# Altium PCB 20211129_mach tren NCKH.PcbDoc (part 2 of 2)
Units mm, origin at the board's own origin, x right, y up, seen from the top; angles counter-clockwise.
Board outline 85.42 x 125.35 mm, 2 copper layers (Top Layer, Bottom Layer); 157 components, 109 nets, 462 pads, 90 vias.
Unrouted connection lines stored in the file: 3.
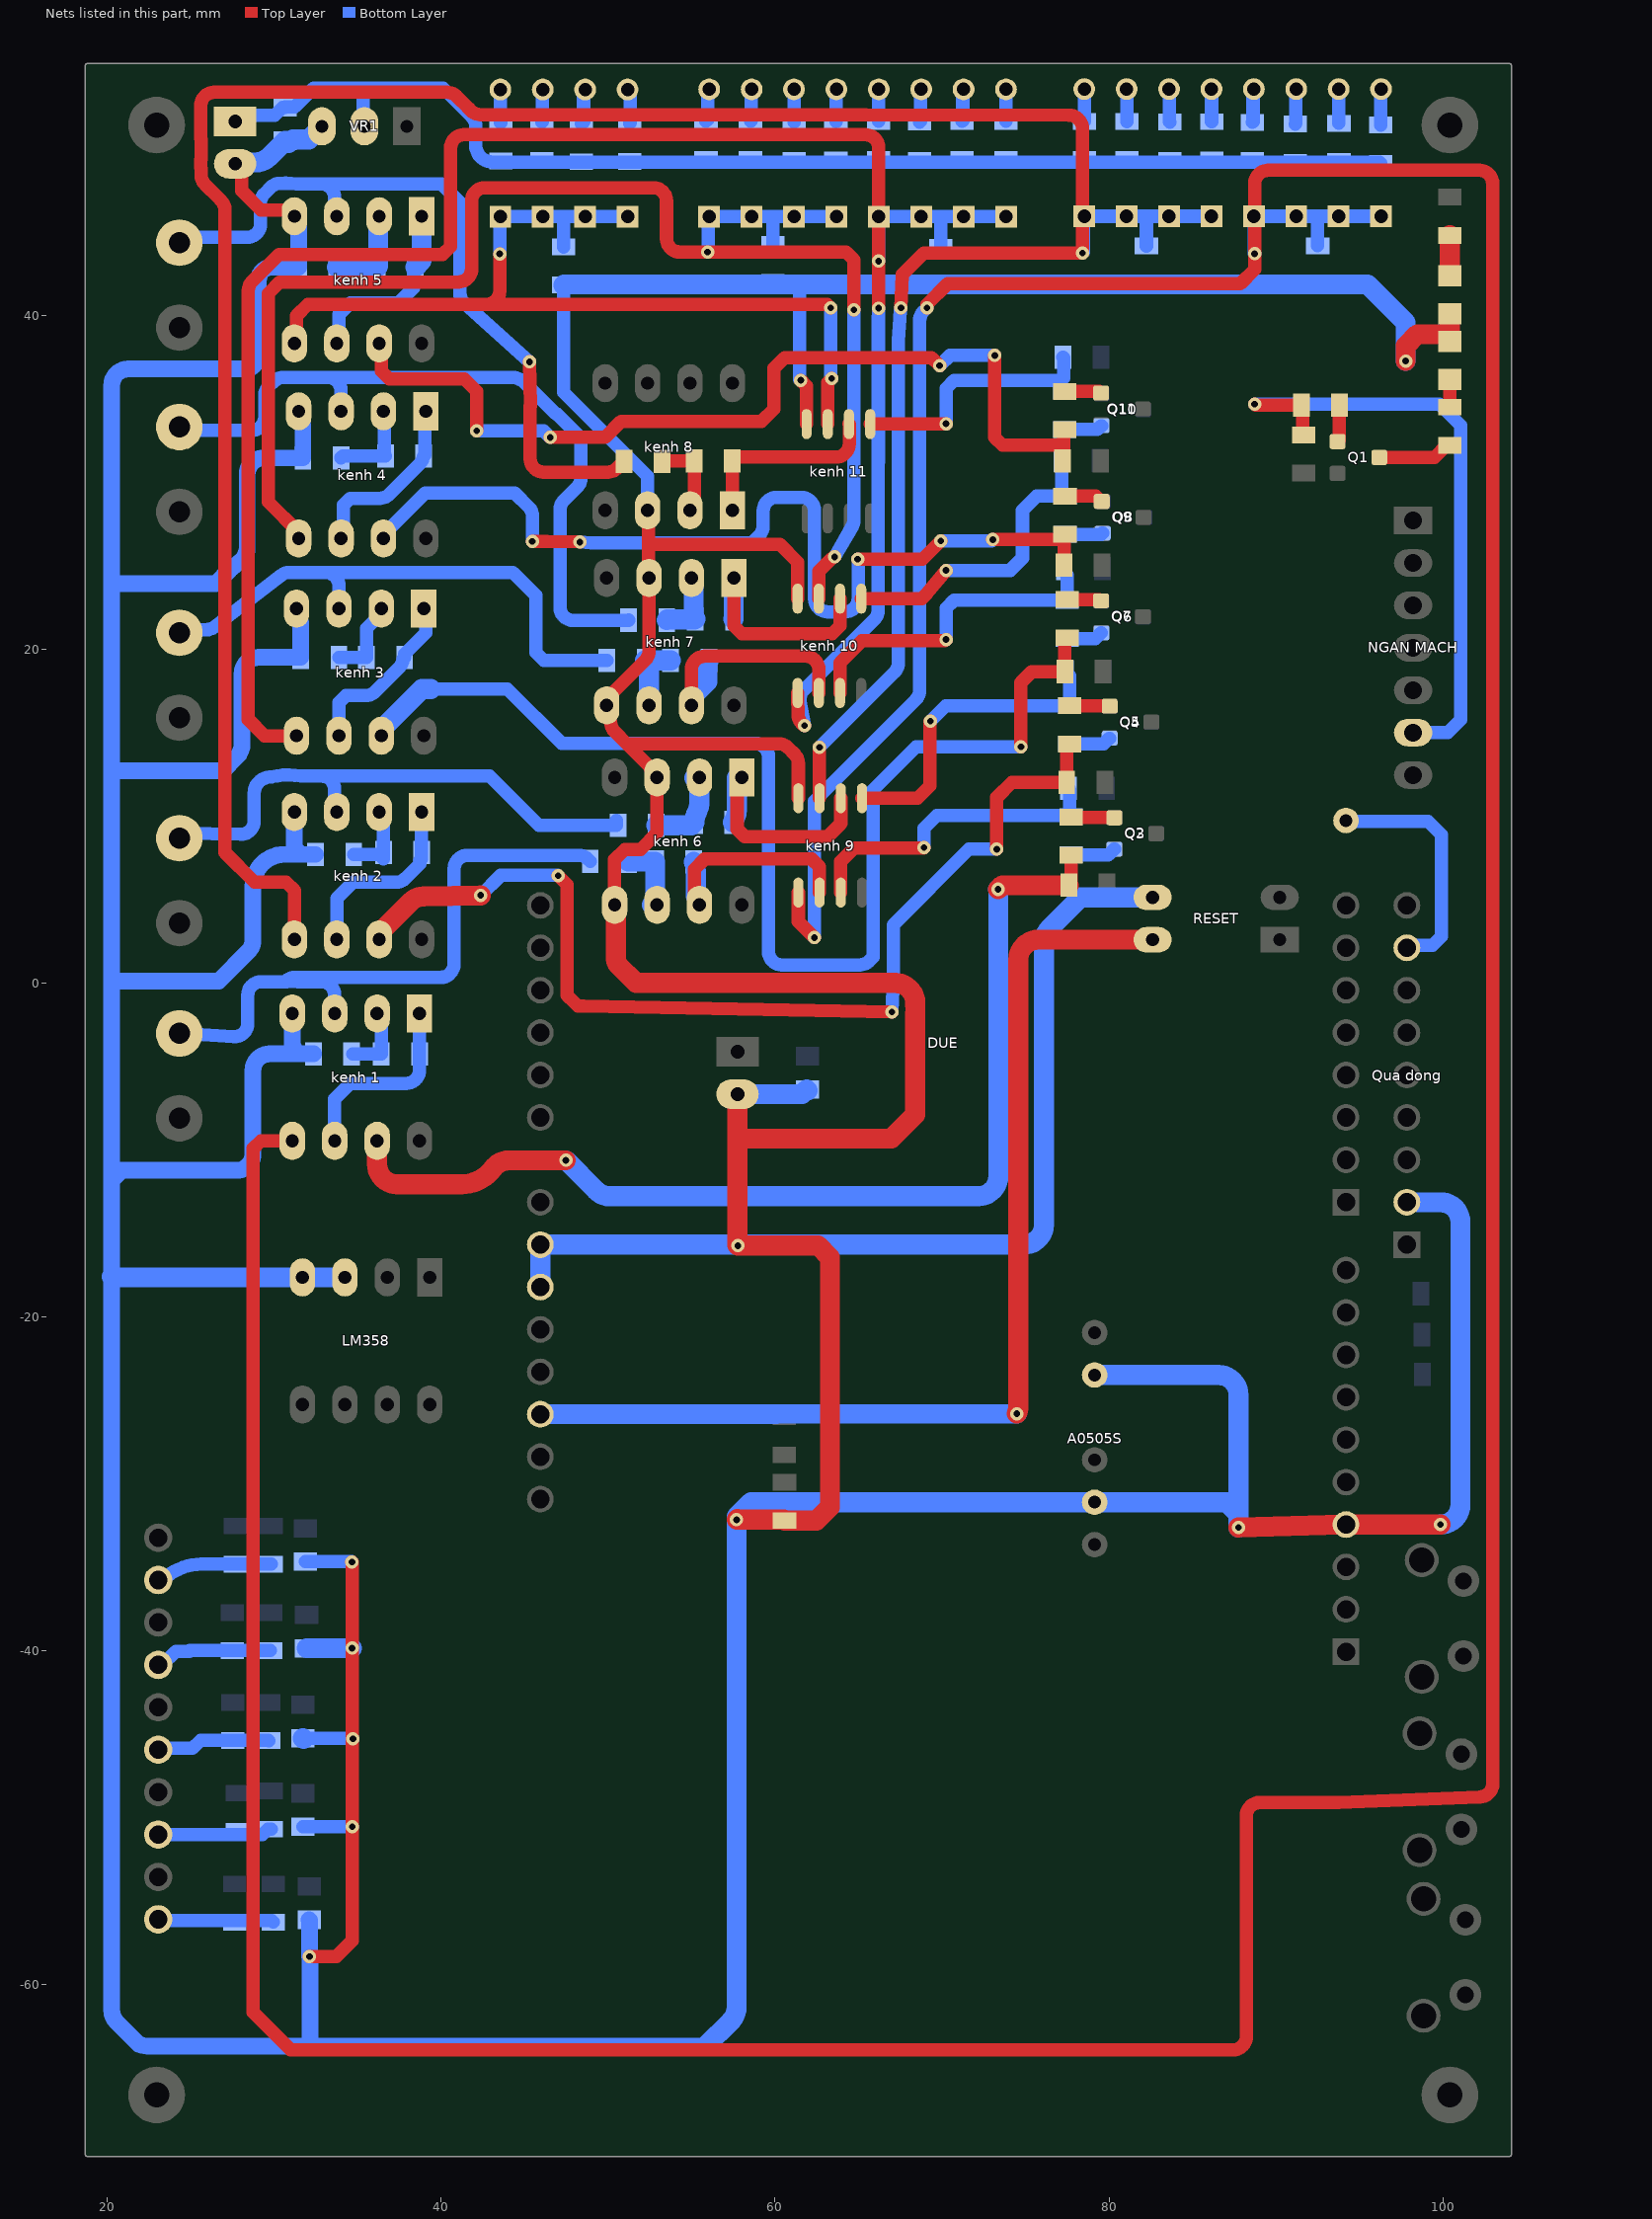
[diagram p2: the nets of this part, all layers, seen from the top]

## Via types
v1: diameter 0.8, hole 0.4, Top Layer to Bottom Layer, 90 vias

## Nets (pads, with @x,y where several pads share a name; then routed paths per layer and width w, separated by ;. In a path a pad name is that pad's centre, name@x,y a point inside that pad or via, vN(x,y) a via of type N, cw(c..) or ccw(c..) an arc to the next point about the centre after c; other vN are vias at no path point) (continued)
GND: "kenh 1.4" "kenh 2.4" "kenh 3.4" "kenh 4.4" "kenh 5.4" "kenh 6.3" "kenh 6.5" "kenh 7.3" "kenh 7.5" "kenh 8.3" "kenh 9.4" "kenh 10.4" "kenh 11.4" "LED nguon.2" "LED WiFi1.2" "Qua dong.2" A0505S.0 A0505S.GND C1.2 C2.2 C3.2 C6.2 cc1.2 cc4.2 cc5.2 cc6.2 cc7.2 DUE.GND LM358.3 LM358.4 R12.1 R13.1 R14.2 R16.1 R18.2 R23.2 R26.2 R30.2 R38.1 R39.1 R44.1 R49.1 R54.1 R57.1 RESET.3 VR1.3 | length 695.3
  Top Layer w0.8: C1.2@27.72,49.558 C1.2@27.932,49.346 ; C1.2@28.061,48.835 28.061,47.45 29.208,46.303 30.874,46.303 31.209,45.968 ; C1.2@28.074,49.022 C1.2@28.189,48.907 ; 31.209,45.933 31.209,45.968 ; 31.347,46.381 cw(c30.547,46.383) 31.284,46.071 31.209,46.071 31.209,45.968 ; v1(32.115,-58.301) 33.718,-58.301 34.663,-57.356 34.663,-34.687 v1(34.653,-34.677) ; 50.391,4.695 50.391,7.408 50.993,8.011 51.952,8.011 52.931,8.99 52.931,12.315 ; 52.366,28.314 52.41,28.27 52.41,26.288 ; 52.627,12.302 52.627,12.494 ccw(c51.827,12.494) 52.393,13.059 52.131,13.321 51.122,14.329 ; 61.353,23.03 61.353,25.214 60.279,26.288 52.41,26.288 ; 61.396,11.074 61.396,13.156 ccw(c60.596,13.156) 61.162,13.721 60.787,14.096 ccw(c60.222,13.529) 60.222,14.329 51.122,14.329 ; v1(61.538,36.11) 61.889,35.759 61.889,33.485 ; 51.122,14.329 50.402,15.05 cw(c50.968,15.615) 50.179,15.481 50.157,15.613 ccw(c49.368,15.48) 49.931,16.048 49.913,16.066 49.913,16.643 49.913,17.024 52.218,19.329 ccw(c51.652,19.894) 52.452,19.894 52.452,20.991 cw(c53.252,20.991) 52.453,21.032 52.453,24.263 52.41,24.307 52.41,26.288
  Top Layer w1.2: 50.391,4.695 50.391,4.622 50.415,4.622 cw(c49.264,4.283) 50.464,4.283 50.464,1.575 ccw(c51.664,1.578) 50.542,1.152 51.683,0.011 67.202,0.011 67.205,0.011 cw(c67.199,-1.189) 68.398,-1.181 68.402,-1.716 cw(c67.002,-1.725) 68.398,-1.824 68.398,-1.96 68.398,-7.875 66.964,-9.309 57.752,-9.309 ; v1@57.744,-32.088 v1(57.694,-32.138) 60.52,-32.138 R57.1@60.57,-32.189 62.489,-32.189 63.284,-31.394 63.284,-16.427 62.581,-15.724 v1(57.774,-15.724) 57.752,-15.702 57.752,-9.309 ; C2.2@57.752,-6.645 57.752,-9.309 ; v1(87.766,-32.597) 94.024,-32.423 cw(c94.057,-33.623) 94.092,-32.423 94.094,-32.423 DUE.GND@94.201,-32.426 94.201,-32.418 99.851,-32.418 v1(99.859,-32.426) ; v1(97.775,37.262) 97.775,38.161 98.478,38.864 100.285,38.864 100.424,39.002 ; 97.846,-13.128 97.857,-13.139 ; 100.424,38.44 100.424,39.002 ; 100.424,40.091 100.424,39.002
  Bottom Layer w0.8: cc5.2@31.715,-45.223 34.675,-45.223 v1(34.716,-45.264) ; cc6.2@31.719,-50.529 34.665,-50.529 v1(34.674,-50.52) ; cc4.2@31.863,-34.655 34.631,-34.655 v1(34.653,-34.677) ; R49.1@47.329,41.811 47.329,35.394 52.366,30.357 52.366,28.314 ; 61.477,41.845 61.477,36.171 v1(61.538,36.11)
  Bottom Layer w1: 31.082,-1.819 31.082,-3.516 ccw(c31.882,-3.514) 31.511,-4.223 31.528,-4.232 ; 31.209,10.246 31.209,8.092 31.595,7.706 ; 31.209,45.933 31.209,45.464 31.463,45.21 R30.2@31.463,42.885 29.85,42.885 ccw(c29.85,42.085) 29.05,42.085 29.05,37.589 cw(c28.25,37.589) 28.25,36.789 21.265,36.789 ccw(c21.265,35.789) 20.265,35.791 20.265,23.938 ; 31.336,22.438 31.336,21.861 31.59,21.607 R23.2@31.59,19.517 29.073,19.517 ccw(c29.073,18.517) 28.073,18.517 28.073,14.293 cw(c27.073,14.293) 27.78,13.586 26.926,12.731 20.265,12.731 ; 31.463,34.249 31.463,33.672 31.717,33.418 R26.2@31.717,31.455 29.374,31.455 ccw(c29.374,30.455) 28.374,30.455 28.374,26.07 cw(c27.374,26.07) 27.994,25.286 27.342,24.769 26.51,23.938 20.265,23.938 ; cc7.2@32.092,-56.101 32.115,-56.124 v1(32.115,-58.301) 32.145,-58.331 32.145,-63.668 ; R14.2@32.352,-4.232 31.528,-4.232 ; R18.2@32.479,7.706 31.595,7.706 ; 55.845,-63.668 32.145,-63.668 ; 20.265,-11.838 20.265,-17.577 20.265,-61.509 ccw(c21.265,-61.508) 20.558,-62.215 21.89,-63.547 ccw(c22.416,-62.468) 22.413,-63.668 32.145,-63.668 ; 20.265,-11.838 20.265,0.121 ; 20.265,-11.838 20.886,-11.217 27.725,-11.217 ccw(c27.725,-10.217) 28.725,-10.217 28.725,-5.232 cw(c29.725,-5.232) 29.725,-4.232 31.528,-4.232 ; 20.265,0.121 20.265,12.731 ; 20.265,0.121 26.672,0.121 28.432,1.881 ccw(c27.725,2.588) 28.725,2.588 28.725,5.817 28.725,5.822 28.725,5.823 cw(c30.612,5.819) 30.612,7.706 31.595,7.706 ; 20.265,12.731 20.265,23.938
  Bottom Layer w1.2: 20.265,-17.577 20.312,-17.624 LM358.4@31.692,-17.624 LM358.3@34.232,-17.624 ; C1.2@27.624,49.203 C1.2@27.624,49.21 ; C1.2@28.037,49.15 cw(c28.161,48.157) 28.158,49.157 28.863,49.157 ccw(c28.863,50.357) 29.711,49.508 C3.2@30.657,50.454 ; C3.2@30.873,50.319 31.031,50.477 31.079,50.477 31.129,50.527 32.065,50.527 32.454,50.916 32.65,50.916 32.858,51.124 VR1.3@32.858,51.32 ; cc5.2@31.715,-45.223 cc5.2@31.765,-45.273 ; cc1.2@31.939,-39.838 34.654,-39.838 v1(34.664,-39.828) ; DUE.GND@45.941,-18.202 DUE.GND@45.941,-15.662 74.911,-15.662 ccw(c74.911,-14.462) 76.111,-14.462 76.111,2.461 cw(c77.311,2.461) 76.462,3.309 78.294,5.141 RESET.3@82.61,5.141 ; R49.1@47.329,41.811 47.363,41.845 61.477,41.845 95.498,41.845 97.775,39.568 v1(97.775,37.262) ; 55.845,-63.668 57.345,-62.168 ccw(c56.494,-61.322) 57.694,-61.322 v1(57.694,-32.138) 57.694,-31.955 58.552,-31.097 79.147,-31.097 87.063,-31.097 87.766,-31.8 ; C2.2@57.752,-6.645 61.624,-6.645 61.894,-6.376 C6.2@61.943,-6.424 ; A0505S.GND@79.147,-23.471 86.566,-23.471 cw(c86.566,-24.671) 87.766,-24.671 87.766,-31.8 ; v1(87.766,-32.597) 87.766,-31.8 ; 98.519,-13.122 99.859,-13.122 cw(c99.859,-14.322) 101.059,-14.322 101.059,-31.226 cw(c99.859,-31.226) v1(99.859,-32.426)
"in shunt1": "kenh 1.3" "Shunt 1.1" R59.1 | length 38.6
  Bottom Layer w0.8: 24.316,-3.012 27.566,-3.212 ccw(c27.615,-2.414) 28.415,-2.419 28.415,-2.416 28.415,-0.714 cw(c29.215,-0.714) 29.215,0.086 30.662,0.086 ; 33.622,-1.819 33.622,-0.714 ccw(c32.822,-0.714) 32.822,0.086 31.502,0.086 cw(c31.504,0.886) 31.363,0.098 ccw(c31.082,-1.438) 30.801,0.098 cw(c30.66,0.886) 30.662,0.086 ; R59.1@48.929,7.296 48.807,7.418 ccw(c48.242,6.852) 48.242,7.652 41.575,7.652 ccw(c41.577,6.852) 40.777,6.854 40.777,1.147 cw(c39.977,1.147) 39.977,0.347 32.822,0.347 32.818,0.347 31.502,0.347 31.363,0.347 31.255,0.347 ccw(c31.255,-0.453) 30.689,0.113 30.662,0.086
"in shunt2": "kenh 2.3" "Shunt 2.1" R60.1 | length 32.9
  Bottom Layer w0.8: 24.478,8.976 27.978,8.909 27.981,8.909 ; 27.982,8.909 ccw(c27.996,9.708) 28.796,9.703 28.796,9.706 28.796,10.5 28.796,11.365 cw(c29.78,11.363) 29.724,12.346 29.726,12.346 ccw(c29.679,13.144) 29.841,12.361 cw(c30.867,7.473) 31.606,12.413 ccw(c31.719,13.205) 31.717,12.405 32.822,12.405 ; 33.749,10.246 33.749,10.373 33.682,10.373 cw(c34.422,10.678) 33.622,10.676 33.622,11.605 ccw(c32.822,11.605) 32.822,12.405 ; R60.1@50.492,9.747 50.492,9.449 45.848,9.449 42.892,12.405 32.822,12.405
"in shunt3": "kenh 3.3" "Shunt 3.1" R62.1 | length 33.3
  Bottom Layer w0.8: 24.605,21.168 25.924,21.168 ccw(c25.924,21.968) 26.414,21.335 30.415,24.429 cw(c30.905,23.797) 30.905,24.597 33.076,24.597 ; 33.876,22.438 33.876,23.797 ccw(c33.076,23.797) 33.076,24.597 ; R62.1@49.929,19.332 46.143,19.332 45.674,19.801 45.674,23.222 44.299,24.597 33.076,24.597
"in shunt4": "kenh 4.3" "Shunt 4.1" R63.1 | length 45.2
  Bottom Layer w0.8: 24.605,33.106 28.631,33.106 ccw(c28.631,33.906) 29.431,33.906 29.431,35.175 cw(c30.231,35.172) 29.687,35.759 30.019,36.067 cw(c30.563,35.481) 30.563,36.281 33.203,36.281 ; 34.003,34.249 34.003,35.481 ccw(c33.203,35.481) 33.203,36.281 ; R63.1@51.227,21.74 51.209,21.722 47.911,21.722 cw(c47.913,22.522) 47.113,22.52 47.113,28.349 cw(c47.913,28.349) 47.347,28.914 48.149,29.716 ccw(c47.582,30.28) 48.382,30.28 48.382,32.644 46.937,34.089 46.879,34.089 45.003,35.965 ccw(c44.435,35.402) 44.78,36.123 cw(c45.293,37.208) 44.691,36.17 ccw(c44.285,35.481) 44.285,36.281 33.203,36.281
"in shunt5": "kenh 5.3" "Shunt 5.1" R64.1 | length 45.4
  Top Layer w0.8: v1(45.293,37.208) 45.338,34.619 cw(c44.538,34.605) 45.337,34.565 ccw(c46.136,34.525) 45.336,34.529 45.336,34.527 45.336,31.406 ccw(c46.136,31.408) 46.134,30.608 49.982,30.608 ccw(c49.982,31.408) 50.547,30.842 R64.1@50.958,31.253
  Bottom Layer w0.8: 24.478,44.663 28.371,44.663 ccw(c28.371,45.463) 29.171,45.463 29.171,46.719 cw(c29.971,46.719) 29.405,47.285 29.797,47.677 cw(c30.361,47.11) 30.336,47.909 cw(c30.564,40.287) 31.339,47.873 ccw(c31.417,48.67) 31.414,47.87 32.81,47.87 ; 33.749,45.933 33.61,46.071 33.61,47.07 ccw(c32.81,47.07) 32.81,47.87 ; v1(45.293,37.208) 41.392,40.73 41.39,40.732 41.389,40.733 cw(c41.926,41.326) 41.126,41.326 41.126,46.767 40.017,47.876 35.602,47.876 35.596,47.87 32.81,47.87
Net1_1: 1.1 "LED WiFi1.1" | length 1.7
  Top Layer w0.8: 1.1@100.424,34.503 100.424,36.154
Net1_2: 1.2 Q1.3 | length 4.5
  Top Layer w0.8: Q1.3@96.197,31.485 99.494,31.485 100.225,32.217 1.2@100.424,32.217
NetCT1_2: CT1.2 R1.2 R2.2 | length 7
  Bottom Layer w0.8: CT1.2@23.05,-35.752 ccw(c23.022,-34.953) 23.536,-35.566 cw(c25.64,-38.063) 25.641,-34.798 25.643,-34.798 R2.2@27.672,-34.798 R1.2@29.831,-34.798
NetCT2_2: CT2.2 R3.2 R4.2 | length 7.1
  Bottom Layer w0.8: CT2.2@23.05,-40.832 23.293,-40.832 24.108,-40.018 24.916,-40.018 24.953,-39.981 R4.2@27.494,-39.981 R3.2@29.78,-39.981
NetCT3_2: CT3.2 R5.2 R6.2 | length 6.9
  Bottom Layer w0.8: CT3.2@23.05,-45.912 23.129,-45.833 25.1,-45.833 25.59,-45.343 29.66,-45.343 R5.2@29.683,-45.366
NetCT4_2: CT4.2 R7.2 R8.2 | length 6.9
  Bottom Layer w0.8: CT4.2@23.05,-50.992 29.296,-50.992 29.616,-50.672 R7.2@29.814,-50.672
NetCT5_2: CT5.2 R9.2 R10.2 | length 7
  Bottom Layer w0.8: CT5.2@23.05,-56.072 23.135,-56.158 29.847,-56.158 R9.2@29.933,-56.244
"Netkenh 1_2": "kenh 1.2" R14.1 R27.2 | length 4.2
  Bottom Layer w0.8: R14.1@34.704,-4.232 R27.2@36.416,-4.232 36.416,-2.65 36.162,-2.396 36.162,-1.819
"Netkenh 2_2": "kenh 2.2" R18.1 R19.2 | length 4.7
  Bottom Layer w0.8: R18.1@34.765,7.706 36.443,7.706 R19.2@36.543,7.833 ; 36.289,10.246 36.289,9.669 36.543,9.415 R19.2@36.543,7.452
"Netkenh 3_2": "kenh 3.2" R23.1 R24.2 | length 4.9
  Bottom Layer w0.8: R23.1@33.876,19.517 R24.2@35.527,19.517 35.527,21.254 36.416,22.142 36.416,22.438
"Netkenh 4_2": "kenh 4.2" R26.1 R28.2 | length 5.5
  Bottom Layer w0.8: R26.1@34.003,31.455 34.003,31.482 34.103,31.582 R28.2@36.67,31.582 36.606,31.645 36.606,34.185 36.543,34.249
"Netkenh 5_2": "kenh 5.2" R30.1 R31.2 | length 5.5
  Bottom Layer w1.2: R30.1@33.749,42.885 R31.2@36.162,42.885 36.227,42.95 36.227,45.871 36.289,45.933
"Netkenh 6_2": "kenh 6.2" R60.2 R65.1 | length 5.1
  Bottom Layer w1.2: R60.2@52.878,9.449 54.997,9.449 55.174,9.626 R65.1@55.176,9.626 cw(c56.375,9.672) 55.312,10.228 ccw(c54.086,10.873) 55.471,10.877 55.471,12.124 55.471,12.315 ; 55.167,12.302 55.172,12.298
"Netkenh 6_6": "kenh 6.6" R58.1 R59.2 | length 4.3
  Bottom Layer w1.2: R59.2@51.215,7.296 51.235,7.276 52.818,7.276 52.818,5.201 ccw(c54.018,5.203) 52.885,4.808 52.931,4.808 52.931,4.695 ; 52.627,4.682 52.689,4.744
"Netkenh 7_2": "kenh 7.2" R63.2 R66.1 | length 4.3
  Bottom Layer w1.2: R63.2@53.513,21.74 53.55,21.778 55.184,21.778 R66.1@55.222,21.815 55.22,21.815 55.122,21.913 55.122,23.665 54.993,23.794 54.993,24.263
"Netkenh 7_6": "kenh 7.6" R61.1 R62.2 | length 4.3
  Bottom Layer w1.2: R62.2@52.215,19.332 R62.2@52.216,19.332 ; 52.453,16.643 52.453,19.095 R62.2@52.216,19.332 ; R61.1@53.748,19.332 R62.2@52.216,19.332
"Netkenh 8_2": "kenh 8.2" R64.2 R67.1 | length 5
  Top Layer w0.8: R64.2@53.244,31.253 53.258,31.267 55.143,31.267 R67.1@55.157,31.281 55.157,29.142 54.906,28.891 54.906,28.314
"NetLED nguon_1": "LED nguon.1" R20.1 | length 2.4
  Top Layer w1.2: 100.424,42.377 R20.1@100.424,44.79
NetQ1_1: Q1.1 R55.1 | length 2.2
  Top Layer w0.8: Q1.1@93.697,32.435 93.722,32.435 93.808,32.521 R55.1@93.808,34.617
NetQ2_1: Q2.1 R25.1 | length 2.7
  Bottom Layer w0.8: R25.1@77.726,7.682 79.963,7.682 80.302,8.021 Q2.1@80.327,8.021
NetQ3_1: Q3.1 R29.1 | length 2.6
  Top Layer w0.8: R29.1@77.733,9.946 77.756,9.924 80.305,9.924 Q3.1@80.328,9.901
NetQ4_1: Q4.1 R70.1 | length 2.5
  Bottom Layer w0.8: R70.1@77.647,14.329 79.678,14.329 80.016,14.667 Q4.1@80.041,14.667
NetQ5_1: Q5.1 R71.1 | length 2.4
  Top Layer w0.8: R71.1@77.639,16.614 77.651,16.602 80.033,16.602 Q5.1@80.045,16.59
NetQ6_1: Q6.1 R74.1 | length 2.2
  Bottom Layer w0.8: R74.1@77.501,20.639 79.186,20.639 79.526,20.979 Q6.1@79.551,20.979
NetQ7_1: Q7.1 R75.1 | length 2.1
  Top Layer w0.8: R75.1@77.508,22.978 79.424,22.978 79.503,22.899 Q7.1@79.528,22.899
NetQ8_1: Q8.1 R78.1 | length 2.3
  Bottom Layer w0.8: R78.1@77.389,26.883 79.54,26.883 79.606,26.949 Q8.1@79.631,26.949
NetQ9_1: Q9.1 R79.1 | length 2.3
  Top Layer w0.8: R79.1@77.363,29.174 79.218,29.174 79.543,28.849 Q9.1@79.568,28.849
NetQ10_1: Q10.1 R82.1 | length 2.3
  Bottom Layer w0.8: R82.1@77.348,33.161 79.306,33.161 79.534,33.389 Q10.1@79.559,33.389
NetQ11_1: Q11.1 R83.1 | length 2.2
  Top Layer w0.8: R83.1@77.342,35.438 79.407,35.438 79.502,35.343 Q11.1@79.527,35.343
NetR17_1: R17.1 SW5.2 | length 2
  Bottom Layer w0.8: SW5.2@86.142,53.551 86.15,53.543 86.15,51.605 R17.1@86.158,51.596
NetR21_1: R21.1 SW6.2 | length 2
  Bottom Layer w0.8: SW6.2@83.602,53.551 83.623,53.53 83.623,51.593 R21.1@83.644,51.571
NetR32_1: R32.1 SW7.2 | length 1.9
  Bottom Layer w0.8: SW7.2@81.062,53.551 81.065,53.548 81.065,51.612 R32.1@81.068,51.609
NetR33_1: R33.1 SW8.2 | length 1.9
  Bottom Layer w0.8: SW8.2@78.522,53.551 78.526,53.547 78.526,51.625 R33.1@78.53,51.621
NetR34_1: R34.1 SW3.2 | length 2
  Bottom Layer w0.8: R34.1@63.645,51.584 63.66,51.599 63.66,53.519 SW3.2@63.675,53.534
NetR35_1: R35.1 SW1.2 | length 2
  Bottom Layer w0.8: SW1.2@61.135,53.534 61.139,53.53 61.139,51.563 R35.1@61.144,51.559
NetR36_1: R36.1 SW2.2 | length 1.9
  Bottom Layer w0.8: R36.1@58.529,51.613 58.562,51.646 58.562,53.501 SW2.2@58.595,53.534
NetR37_1: R37.1 SW4.2 | length 2
  Bottom Layer w0.8: R37.1@55.864,51.625 55.959,51.721 55.959,53.438 SW4.2@56.055,53.534
NetR40_1: R40.1 SW9.2 | length 2.2
  Bottom Layer w0.8: R40.1@96.273,51.392 96.287,51.407 96.287,53.537 SW9.2@96.302,53.551
NetR41_1: R41.1 SW10.2 | length 2.1
  Bottom Layer w0.8: SW10.2@93.762,53.551 93.77,53.543 93.77,51.509 R41.1@93.778,51.501
NetR42_1: R42.1 SW11.2 | length 2.1
  Bottom Layer w0.8: R42.1@91.152,51.458 91.187,51.492 91.187,53.516 SW11.2@91.222,53.551
NetR43_1: R43.1 SW13.2 | length 2
  Bottom Layer w0.8: R43.1@88.585,51.559 88.634,51.607 88.634,53.503 SW13.2@88.682,53.551
NetR45_1: R45.1 SW12.2 | length 2.1
  Bottom Layer w0.8: SW12.2@51.167,53.524 51.167,53.441 51.339,53.269 51.339,51.533 R45.1@51.297,51.491
NetR46_1: R46.1 SW14.2 | length 2.2
  Bottom Layer w0.8: R46.1@48.397,51.483 48.432,51.483 48.532,51.583 48.532,53.428 SW14.2@48.627,53.524
NetR47_1: R47.1 SW15.2 | length 2
  Bottom Layer w0.8: R47.1@46.028,51.576 46.058,51.606 46.058,53.494 SW15.2@46.087,53.524
NetR48_1: R48.1 SW16.2 | length 2
  Bottom Layer w0.8: SW16.2@43.547,53.524 43.557,53.514 43.557,51.539 R48.1@43.566,51.53
NetR50_1: R50.1 SW17.2 | length 1.9
  Bottom Layer w0.8: R50.1@73.826,51.614 73.831,51.619 73.831,53.529 SW17.2@73.835,53.534
NetR51_1: R51.1 SW18.2 | length 2
  Bottom Layer w0.8: R51.1@71.192,51.614 71.244,51.666 71.244,53.482 SW18.2@71.295,53.534
NetR52_1: R52.1 SW19.2 | length 2
  Bottom Layer w0.8: R52.1@68.648,51.571 68.702,51.625 68.702,53.48 SW19.2@68.755,53.534
NetR53_1: R53.1 SW20.2 | length 1.9
  Bottom Layer w0.8: R53.1@66.197,51.614 66.206,51.624 66.206,53.525 SW20.2@66.215,53.534
"OUT SHUNT 1+": "kenh 1.7" R22.2 R29.2 | length 64.7
  Top Layer w0.8: R22.2@77.6,5.864 77.6,6.062 77.733,6.195 R29.2@77.733,7.66
  Top Layer w1.2: 36.162,-9.439 36.162,-10.85 ccw(c37.362,-10.85) 37.362,-12.05 41.215,-12.05 41.218,-12.05 ccw(c41.218,-9.698) 43.11,-11.095 cw(c44.073,-11.811) 44.073,-10.611 v1(47.468,-10.611) ; v1(73.361,5.621) 73.604,5.864 R22.2@77.6,5.864
  Bottom Layer w1.2: v1(47.468,-10.611) 49.271,-12.414 49.272,-12.415 ccw(c50.119,-11.565) 50.119,-12.765 72.172,-12.765 ccw(c72.17,-11.565) 73.37,-11.565 73.37,5.612 v1(73.361,5.621)
"OUT SHUNT 1-": "kenh 9.7" R15.2 R25.2 | length 19
  Top Layer w0.8: 63.936,5.424 63.936,7.289 64.734,8.087 68.889,8.087 v1(68.922,8.12)
  Bottom Layer w0.8: v1(68.922,8.12) 68.922,9.267 69.697,10.042 77.652,10.042 77.652,11.587 R15.2@77.577,11.661
"OUT SHUNT 2+": "kenh 2.7" R69.2 R71.2 | length 62.9
  Top Layer w0.8: v1(47.004,6.431) 47.541,5.894 47.541,-0.732 47.951,-1.143 48.185,-1.377 48.501,-1.377 48.502,-1.377 v1(66.998,-1.725) ; v1(73.28,8.025) 73.28,11.128 74.184,12.032 R69.2@77.469,12.032 77.469,14.228 77.569,14.328 R71.2@77.639,14.328
  Top Layer w1.2: 36.289,2.626 36.289,3.007 38.126,4.844 38.128,4.846 cw(c38.973,3.993) 38.949,5.193 v1(42.371,5.26)
  Bottom Layer w0.8: v1(42.371,5.26) 43.563,6.452 46.983,6.452 v1(47.004,6.431) ; v1(66.998,-1.725) 67.002,-1.725 67.078,0.244 ccw(c66.279,0.275) 67.079,0.275 67.079,3.483 71.621,8.025 v1(73.28,8.025)
"OUT SHUNT 2-": "kenh 9.1" R68.2 R70.2 | length 19.1
  Top Layer w0.8: 65.206,11.074 68.535,11.074 69.27,11.809 69.27,15.663 v1(69.304,15.697)
  Bottom Layer w0.8: v1(69.304,15.697) 70.222,16.615 R70.2@77.647,16.615 77.647,18.397 R68.2@77.388,18.656
"OUT SHUNT 3+": "kenh 3.7" R73.2 R75.2 | length 73.7
  Top Layer w0.8: v1(74.729,14.156) 74.729,18.008 75.382,18.661 R73.2@77.365,18.661 77.365,20.592 77.465,20.692 R75.2@77.508,20.692
  Bottom Layer w0.8: 39.373,17.62 43.969,17.62 47.228,14.361 58.807,14.361 cw(c58.807,13.561) 59.607,13.563 59.607,1.892 ccw(c60.407,1.894) 60.405,1.094 65.077,1.094 ccw(c65.077,1.894) 65.643,1.328 65.877,1.563 65.877,11.58 68.453,14.156 v1(74.729,14.156)
  Bottom Layer w1.2: 36.416,14.818 36.416,15.199 38.837,17.62 39.373,17.62
"OUT SHUNT 3-": "kenh 10.7" R72.2 R74.2 | length 20.1
  Top Layer w0.8: 63.893,17.38 63.893,19.192 65.2,20.499 70.162,20.499 v1(70.245,20.582)
  Bottom Layer w0.8: v1(70.245,20.582) 70.245,22.456 70.713,22.925 R74.2@77.501,22.925 77.501,24.46 77.322,24.639 R72.2@77.322,24.837
"OUT SHUNT 4+": "kenh 4.7" R77.2 R79.2 | length 57.2
  Top Layer w0.8: v1(45.462,26.462) 46.313,26.462 cw(c46.313,25.662) 46.33,26.462 v1(48.313,26.419) ; v1(64.947,25.387) 68.831,25.387 v1(69.932,26.488) ; v1(73.045,26.561) 77.096,26.561 77.334,26.323 77.334,25.071 R77.2@77.305,25.042
  Bottom Layer w0.8: 36.543,26.629 36.543,26.857 39.053,29.367 44.394,29.367 45.299,28.462 45.34,28.404 cw(c44.683,27.947) 45.483,27.935 v1(45.462,26.462) ; v1(48.313,26.419) 48.979,26.357 ccw(c49.053,27.154) 49.053,26.354 58.605,26.354 59.057,26.806 ccw(c58.491,27.371) 59.291,27.371 59.291,28.289 cw(c60.091,28.289) 60.091,29.089 61.571,29.089 cw(c61.571,28.289) 62.371,28.289 62.371,23.029 ccw(c63.171,23.031) 63.169,22.231 64.187,22.231 ccw(c64.185,23.031) 64.985,23.031 64.985,25.349 v1(64.947,25.387) ; v1(69.932,26.488) 72.972,26.488 v1(73.045,26.561)
"OUT SHUNT 4-": "kenh 10.1" R76.2 R78.2 | length 18.7
  Top Layer w0.8: 65.163,23.03 68.794,23.03 69.029,23.265 ccw(c68.463,23.83) 69.078,23.319 v1(70.245,24.724)
  Bottom Layer w0.8: v1(70.245,24.724) 74.084,24.724 74.822,25.462 74.822,28.319 75.672,29.169 R78.2@77.178,29.169 ; R76.2@77.178,31.306 R78.2@77.178,29.169 ; R78.2@77.389,29.169 R78.2@77.178,29.169
"OUT SHUNT 5+": "kenh 5.7" R81.2 R83.2 | length 56.5
  Top Layer w0.8: 36.289,38.313 36.427,38.174 36.427,36.66 36.896,36.192 41.39,36.192 42.129,35.453 v1(42.129,33.087) ; v1(46.536,32.686) 49.813,32.686 50.782,33.655 59.201,33.655 59.936,34.39 59.936,36.827 60.571,37.462 69.379,37.462 v1(69.861,36.98) ; v1(73.16,37.595) 73.16,32.684 73.629,32.216 77.284,32.216 ; R81.2@77.226,31.279 77.284,31.337 77.284,32.216 ; R83.2@77.342,33.152 77.284,33.094 77.284,32.216
  Bottom Layer w0.8: v1(42.129,33.087) 46.135,33.087 v1(46.536,32.686) ; v1(69.861,36.98) 70.476,37.595 v1(73.16,37.595)
"OUT SHUNT 5-": "kenh 11.1" R80.2 R82.2 | length 15.3
  Top Layer w0.8: 65.699,33.485 70.221,33.485 v1(70.245,33.509)
  Bottom Layer w0.8: v1(70.245,33.509) 70.245,35.632 70.713,36.101 77.148,36.101 77.298,36.251 77.298,37.444 R80.2@77.248,37.494
RST: DUE.RESET RESET.4 | length 64.5
  Top Layer w1.2: v1(74.487,-25.787) ccw(c73.377,-25.332) 74.577,-25.335 74.577,1.401 cw(c75.777,1.401) 75.777,2.601 RESET.4@82.61,2.601
  Bottom Layer w1.2: DUE.RESET@45.941,-25.822 v1(74.487,-25.787)
"SHUNT 1": "kenh 1.1" "kenh 1.6" R27.1 | length 11.8
  Bottom Layer w0.8: 33.622,-9.439 33.622,-6.937 34.548,-6.01 37.904,-6.01 ccw(c37.902,-5.21) 38.702,-5.21 38.702,-4.74 38.702,-1.819
"SHUNT 1-": "kenh 6.7" "kenh 9.6" R58.2 | length 14.3
  Top Layer w0.8: 55.167,4.682 55.167,6.818 55.777,7.428 62.197,7.428 62.666,6.959 62.666,5.424
  Bottom Layer w1.2: R58.2@55.124,7.256 cw(c54.054,6.713) 55.254,6.713 55.254,5.381 ccw(c56.454,5.383) 55.35,4.912 55.471,4.912 55.471,4.695
"SHUNT 2": "kenh 2.1" "kenh 2.6" R19.1 | length 11.4
  Bottom Layer w0.8: 33.749,2.626 33.749,5.081 34.722,6.055 37.299,6.055 ccw(c37.299,6.855) 37.865,6.289 38.729,7.153 38.729,7.352 38.829,7.452 38.829,10.246
"SHUNT 2-": "kenh 6.1" "kenh 9.2" R65.2 | length 14.1
  Top Layer w0.8: 57.707,12.302 57.729,12.28 57.729,9.227 58.198,8.758 63.14,8.758 63.939,9.557 63.939,11.071 63.936,11.074
  Bottom Layer w1.2: R65.2@57.462,9.626 ccw(c56.507,10.353) 57.707,10.35 57.707,12.302
"SHUNT 3": "kenh 3.1" "kenh 3.6" R24.1 | length 10.6
  Bottom Layer w0.8: 33.876,14.818 33.876,16.805 34.302,17.231 35.481,17.231 ccw(c35.481,18.031) 36.046,17.464 37.48,18.898 ccw(c36.914,19.464) 37.713,19.415 37.713,19.417 R24.1@37.813,19.517 37.813,19.715 39.083,20.985 39.083,22.311 38.956,22.438
"SHUNT 3-": "kenh 7.7" "kenh 10.6" R61.2 | length 15.2
  Top Layer w0.8: 54.993,16.643 54.993,18.784 cw(c55.793,18.784) 55.793,19.584 61.823,19.584 cw(c61.823,18.784) 62.623,18.786 62.623,18.784 62.623,17.38
  Bottom Layer w1.2: 54.993,16.643 54.993,17.112 55.934,18.053 55.934,19.234 56.032,19.332 R61.2@56.034,19.332
"SHUNT 4": "kenh 4.1" "kenh 4.6" R28.1 | length 10.9
  Bottom Layer w0.8: 34.003,26.629 34.141,26.767 34.141,28.633 34.55,29.042 36.324,29.042 ccw(c36.324,29.842) 36.889,29.275 38.728,31.114 ccw(c38.162,31.679) R28.1@38.857,31.283 ; R28.1@38.856,31.283 R28.1@38.956,31.582 39.019,31.645 39.019,34.185 39.083,34.249
"SHUNT 4-": "kenh 7.1" "kenh 10.2" R66.2 | length 13.7
  Top Layer w0.8: 57.533,24.263 57.533,21.402 58.002,20.933 63.42,20.933 63.889,21.402 63.889,23.026 63.893,23.03
  Bottom Layer w1.2: R66.2@57.508,21.815 57.521,21.828 57.521,24.25 57.533,24.263
"SHUNT 5": "kenh 5.1" "kenh 5.6" R31.1 | length 11.4
  Bottom Layer w0.8: 33.749,38.313 33.887,38.451 33.887,40.058 34.555,40.726 37.432,40.726 38.348,41.642 38.348,42.785 R31.1@38.448,42.885
  Bottom Layer w1.2: R31.1@38.448,42.885 38.449,42.885 38.829,43.264 38.829,45.933
"SHUNT 5-": "kenh 8.1" "kenh 11.2" R67.2 | length 11.8
  Top Layer w0.8: 57.446,28.314 57.444,28.316 57.444,31.279 R67.2@57.443,31.281 57.543,31.505 63.645,31.505 ccw(c63.643,32.305) 64.443,32.305 64.443,33.471 64.429,33.485
TX: "Qua dong.8" pad.3 | length 14.5
  Bottom Layer w0.8: pad.3@94.201,9.738 94.246,9.693 99.123,9.693 99.918,8.898 99.918,2.799 99.39,2.271 97.999,2.271 97.846,2.118
"U SO SANH": C1.1 C3.1 R17.2 R21.2 R32.2 R33.2 R34.2 R35.2 R36.2 R37.2 R40.2 R41.2 R42.2 R43.2 R45.2 R46.2 R47.2 R48.2 R50.2 R51.2 R52.2 R53.2 VR1.2 | length 75.1
  Top Layer w0.8: C1.1@27.661,51.616 27.918,51.76 cw(c28.31,51.062) C1.1@28.31,51.862
  Bottom Layer w0.8: C1.1@27.946,51.49 28.435,51.979 30.034,51.979 30.509,52.454 C3.1@30.657,52.454 ; C3.1@30.657,52.477 31.228,52.477 32.355,53.604 35.317,53.604 ; VR1.2@35.398,51.32 35.317,51.401 35.317,53.604 ; R40.2@96.273,49.106 96.205,49.174 93.778,49.174 91.152,49.174 88.585,49.174 86.158,49.174 83.644,49.174 81.068,49.174 78.53,49.174 73.826,49.174 71.192,49.174 68.648,49.174 66.197,49.174 63.645,49.174 61.144,49.174 58.529,49.174 55.864,49.174 51.297,49.174 48.397,49.174 46.028,49.174 43.566,49.174 43.083,49.174 43.081,49.174 cw(c43.083,50.189) 42.068,50.187 42.068,51.129 42.068,51.323 ccw(c41.268,51.323) 41.834,51.889 40.118,53.604 35.317,53.604
"U SO SANH 1": "kenh 1.5" "kenh 9.5" R44.2 SW9.1 SW10.1 SW11.1 SW13.1 | length 336.1
  Top Layer w0.8: 31.082,-9.439 29.206,-9.439 28.742,-9.903 28.742,-61.649 30.988,-63.895 87.43,-63.895 ccw(c87.43,-63.095) 88.23,-63.095 88.23,-49.878 cw(c89.03,-49.878) 89.03,-49.078 93.649,-49.078 ccw(c93.649,-46.478) 93.749,-49.076 102.221,-48.75 ccw(c102.19,-47.95) 102.99,-47.95 102.99,-27.412 cw(c103.79,-27.412) 102.99,-27.41 102.99,47.885 102.99,47.887 ccw(c102.19,47.885) 102.19,48.685 89.53,48.685 ccw(c89.53,47.885) 88.73,47.885 88.73,45.931 v1(88.73,43.685) 88.73,42.753 87.861,41.884 70.332,41.884 69.1,40.652 v1(69.1,40.445) ; 61.396,5.424 61.396,3.69 v1(62.36,2.726)
  Bottom Layer w0.8: v1(62.36,2.726) 62.36,10.898 68.427,16.965 ccw(c67.861,17.53) 68.661,17.53 68.661,39.675 cw(c69.461,39.675) 68.895,40.241 v1(69.1,40.445) ; v1(88.73,43.685) 88.706,43.709 88.706,45.907 SW13.1@88.682,45.931 SW11.1@91.222,45.931 92.492,45.931 ; R44.2@92.506,44.166 92.506,45.917 92.492,45.931 ; SW9.1@96.302,45.931 SW10.1@93.762,45.931 92.492,45.931
"U SO SANH 2": "kenh 2.5" "kenh 9.3" R39.2 SW5.1 SW6.1 SW7.1 SW8.1 | length 171.3
  Top Layer w0.8: 31.209,2.626 31.209,5.559 30.71,6.058 28.813,6.058 27.056,7.816 27.056,46.306 ccw(c26.256,46.306) 26.822,46.871 26.682,47.011 25.849,47.844 cw(c26.415,48.41) 25.615,48.41 25.615,48.736 ccw(c24.815,48.734) 25.608,48.842 cw(c27.28,49.076) 25.608,49.309 ccw(c24.815,49.417) 25.615,49.415 25.615,50.455 ccw(c24.815,50.453) 25.603,50.588 cw(c26.391,50.727) 25.591,50.727 25.591,52.505 cw(c26.391,52.505) 25.609,52.672 25.62,52.723 cw(c26.402,52.556) 26.402,53.356 40.358,53.356 cw(c40.358,52.556) 40.924,53.122 41.623,52.423 cw(c41.057,51.857) 41.652,52.391 41.75,52.283 ccw(c42.344,52.818) 42.344,52.018 65.413,52.017 cw(c65.415,50.017) 65.422,52.017 65.424,52.017 77.618,51.978 77.62,51.978 cw(c77.616,51.178) 78.27,51.639 cw(c77.618,51.175) 78.418,51.175 78.418,45.931 v1(78.418,43.727) 68.91,43.727 67.632,42.449 67.632,42.445 cw(c66.832,42.446) 67.631,42.41 v1(67.544,40.445) ; v1(62.661,14.125) 62.661,11.079 62.666,11.074
  Bottom Layer w0.8: v1(62.661,14.125) 67.153,18.617 ccw(c66.587,19.182) 67.387,19.182 67.387,38.445 67.387,38.447 cw(c68.187,38.443) 67.388,38.49 67.464,39.792 cw(c69.461,39.675) 67.478,39.932 v1(67.544,40.445) ; v1(78.418,43.727) 78.47,43.78 78.47,45.879 SW8.1@78.522,45.931 SW7.1@81.062,45.931 82.332,45.931 ; R39.2@82.245,44.151 82.245,45.844 82.332,45.931 ; SW5.1@86.142,45.931 SW6.1@83.602,45.931 82.332,45.931
"U SO SANH 3": "kenh 3.5" "kenh 10.5" R54.2 SW17.1 SW18.1 SW19.1 SW20.1 | length 125.6
  Top Layer w0.8: 31.336,14.818 29.419,14.818 28.447,15.79 28.447,41.473 cw(c29.247,41.473) 28.681,42.039 30.294,43.652 40.095,43.652 40.564,44.12 40.564,50.019 cw(c41.364,50.017) 41.364,50.817 65.415,50.817 cw(c65.415,50.017) 66.215,50.017 SW20.1@66.215,45.914 66.215,43.254 v1(66.207,43.245) 66.207,42.425 v1(66.208,40.425) ; 61.353,17.38 61.353,17.201 ccw(c62.153,17.201) 61.353,17.181 61.38,16.081 ccw(c62.18,16.102) 61.72,15.448 v1(61.761,15.419)
  Bottom Layer w0.8: v1(61.761,15.419) 61.496,16.833 cw(c62.283,16.98) 61.529,17.249 61.59,17.419 65.952,21.781 ccw(c65.385,22.346) 66.185,22.346 66.187,39.869 cw(c68.187,39.869) 66.189,39.951 v1(66.208,40.425) ; v1(66.207,43.245) 66.207,45.906 SW20.1@66.215,45.914 SW19.1@68.755,45.914 70.025,45.914 ; R54.2@69.921,44.076 69.921,45.809 70.025,45.914 ; SW17.1@73.835,45.914 SW18.1@71.295,45.914 70.025,45.914
"U SO SANH 4": "kenh 4.5" "kenh 10.3" R38.2 SW1.1 SW2.1 SW3.1 SW4.1 | length 91.6
  Top Layer w0.8: 31.463,26.629 31.463,27.01 29.647,28.826 29.647,41.305 30.335,41.993 41.027,41.993 ccw(c41.027,42.793) 41.827,42.793 41.827,46.847 cw(c42.627,46.845) 42.625,47.645 52.7,47.645 cw(c52.7,46.845) 53.5,46.845 53.5,44.591 ccw(c54.3,44.591) 54.3,43.791 v1(55.957,43.791) 64.26,43.791 64.729,43.323 v1(64.729,40.327) ; 62.623,23.03 62.623,24.667 63.313,25.357 cw(c63.879,24.792) v1(63.571,25.53) v1(63.571,25.53)
  Bottom Layer w0.8: v1(55.957,43.791) 56.006,43.841 56.006,45.865 SW4.1@56.055,45.914 SW2.1@58.595,45.914 59.865,45.914 ; R38.2@59.874,44.258 59.874,45.905 59.865,45.914 ; v1(63.571,25.53) 64.621,27.343 ccw(c63.929,27.744) 64.729,27.744 v1(64.729,40.327) ; SW3.1@63.675,45.914 SW1.1@61.135,45.914 59.865,45.914
"U SO SANH 5": "kenh 5.5" "kenh 11.3" R49.2 SW12.1 SW14.1 SW15.1 SW16.1 | length 56.3
  Top Layer w0.8: 31.209,38.313 31.347,38.451 31.347,39.984 32.016,40.652 42.71,40.652 ; v1(43.508,43.679) 43.508,41.452 cw(c42.708,41.452) 42.71,40.652 ; 63.159,33.485 63.159,35.982 v1(63.387,36.21) ; v1(63.335,40.445) 63.128,40.652 42.71,40.652
  Bottom Layer w0.8: v1(43.508,43.679) 43.528,43.699 43.528,45.884 SW16.1@43.547,45.904 SW15.1@46.087,45.904 47.258,45.904 ; R49.2@47.329,44.097 47.329,45.832 47.258,45.904 ; SW12.1@51.167,45.904 SW14.1@48.627,45.904 47.258,45.904 ; v1(63.335,40.445) 63.335,36.262 v1(63.387,36.21)
WIFI: "NGAN MACH.6" R11.2 R55.2 | length 38.4
  Top Layer w0.8: v1(88.728,34.685) 88.796,34.617 R55.2@91.522,34.617 91.599,34.541 91.599,32.911 R11.2@91.675,32.835
  Bottom Layer w0.8: v1(88.728,34.685) 99.803,34.685 101.073,33.415 101.073,15.778 100.3,15.005 98.219,15.005
pads on no net: "down irms." "kenh 8.5" "kenh 8.6" "kenh 8.7" "kenh 11.5" "kenh 11.6" "kenh 11.7" "up irms." DUE. DUE.0-RX DUE.1-TX DUE.7 DUE.12 DUE.13 DUE.AREF DUE.IOREF DUE.SCL DUE.SDA DUE.Vin DUE.~11 select.

## Keep-outs
Keep-Out Layer:
  lines w0.254: 103.98,-65.065 103.98,49.743 ; 18.811,-70.145 18.811,54.95 103.98,54.95 103.98,-64.557 103.98,-70.145 18.811,-70.145